# KiCad board Soldermander.kicad_pcb (continued)
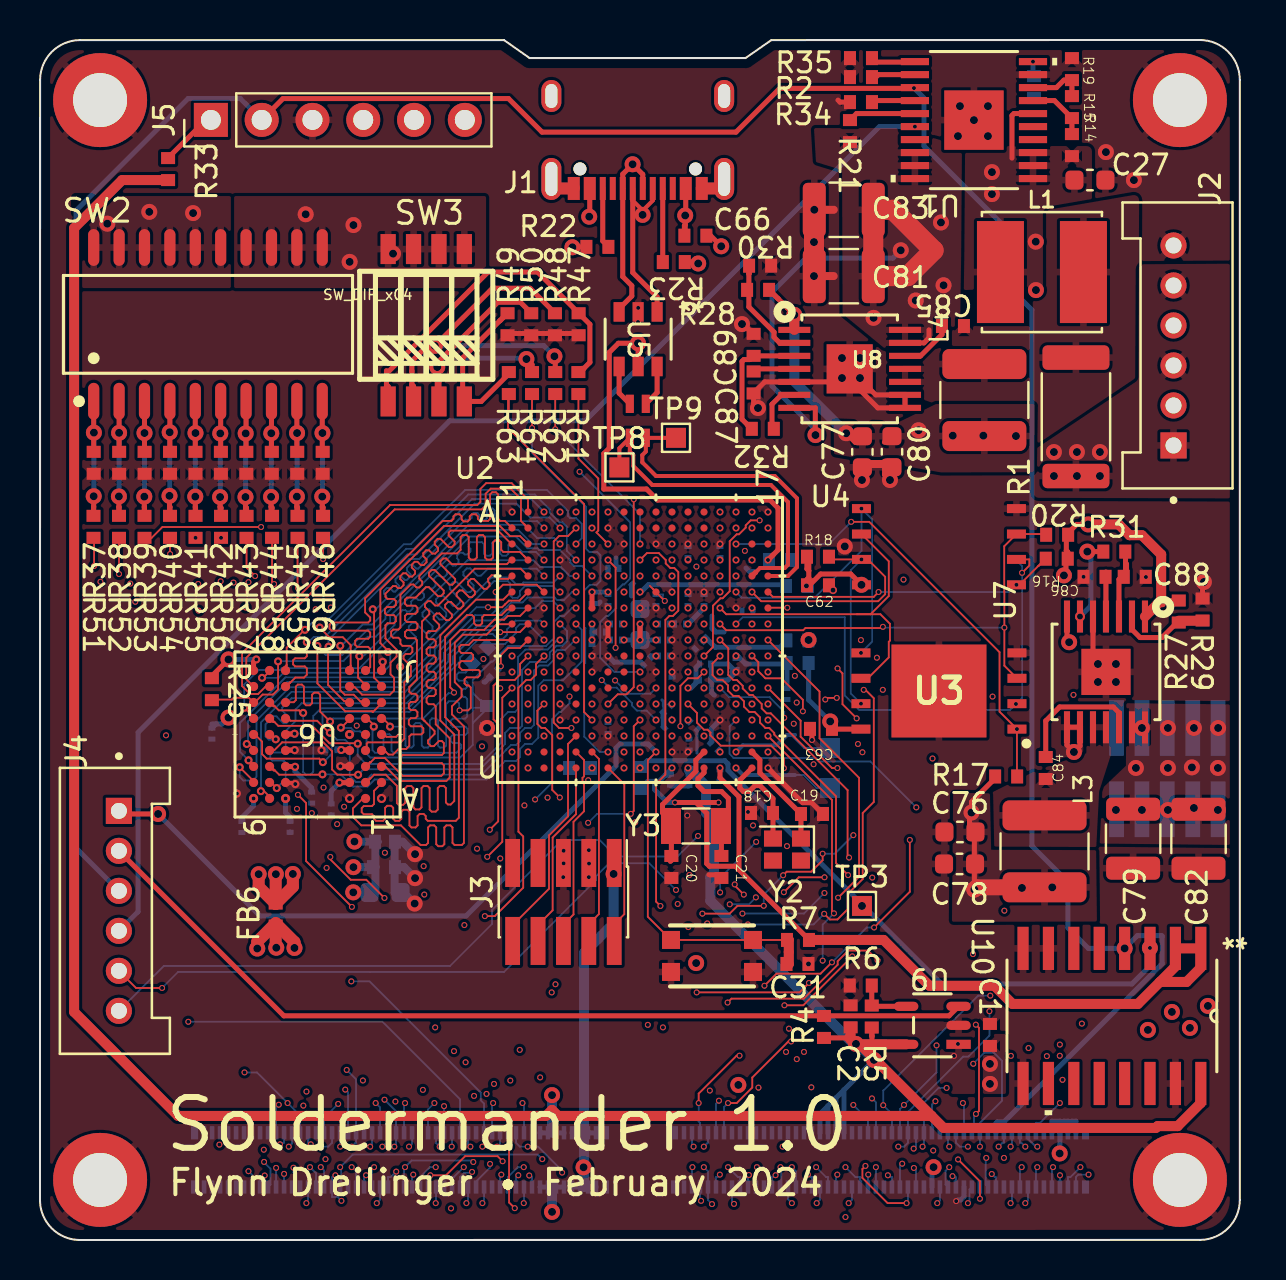
[diagram p0: board, top side]
## Routing (per net, layer and track width the routed paths; a pad name or vN(x,y) marks a point on that pad's centre or on a via; arc(x,y) is an arc through that point) (continued)
SEMC_A9: length 18.7
  Top w0.09: v1(26.01,35.61) U2.B4 ; v5(14.43,29.67) 14.4,29.64 14.4,27.76 15.22,26.95 15.48,26.95 15.51,26.92 ; U6.G3 15.48,26.89 15.51,26.92 ; 15.51,26.92 15.54,26.89
  Bottom w0.09: v1(26.01,35.61) 25.48,36.13 24.52,36.13 23.83,36.83 21.73,36.83 18.96,34.06 18.47,34.06 14.43,30.02 v5(14.43,29.67)
SEMC_A10: length 21.2
  Top w0.09: 24.23,35.78 24.23,35.78 U2.B2 ; 24.23,35.78 24.05,35.96 24.05,37.06 23.53,37.58 22.54,37.58 22.29,37.32 22.29,36.74 22.09,36.54 17.74,36.54 10.32,29.12 10.32,28.05 U6.H9 ; 24.23,35.78 24.41,35.61
SEMC_A11: length 17.9
  Top w0.09: 16.34,26.89 16.3,26.93 16.23,26.93 ; v5(15.01,29.71) 15.01,27.5 15.24,27.27 15.69,27.27 16.03,26.93 16.23,26.93 ; 16.23,26.93 U6.G2 ; v1(26.01,34.81) U2.C4
  Bottom w0.09: v1(26.01,34.81) 25.71,35.11 24.86,35.11 24.2,35.77 21.43,35.77 17.02,31.36 17.02,31.19 16.61,30.78 16.14,30.78 15.07,29.71 v5(15.01,29.71)
SEMC_A12: length 20.5
  Top w0.09: 17.08,26.84 U6.G1 ; 17.08,26.84 16.65,26.41 16.61,26.44 15.26,26.44 13.87,27.83 v5(13.87,29.71) ; 17.08,26.84 17.14,26.89 ; v1(25.21,34.81) U2.C3
  Bottom w0.09: v1(25.21,34.81) 24.62,34.81 23.91,35.52 21.5,35.52 17.28,31.29 17.28,31.06 16.74,30.53 16.38,30.53 15.11,29.26 14.29,29.26 13.87,29.67 v5(13.87,29.71)
SEMC_BA0: length 19.6
  Top w0.09: U6.G7 12.29,26.89 12.69,26.89 12.79,27 12.79,27.68 12.89,27.78 13.1,27.78 13.2,27.68 13.2,26.84 13.3,26.74 13.5,26.74 13.6,26.84 13.6,27.27 13.71,27.37 13.91,27.37 14.01,27.27 14.01,26.42 v5(14.51,25.93) ; U2.G2 24.01,31.21 23.4,31.21 23.21,31.02 22.72,31.02 22.21,30.51 21.03,30.51 20.51,29.99 20.51,27.64 20.7,27.45 v1(20.7,27.38)
  Bottom w0.09: v5(14.51,25.93) 14.66,26.08 19.17,26.08 20.43,27.35 20.67,27.35 v1(20.7,27.38)
SEMC_BA1: length 21.5
  Top w0.09: U6.G8 11.67,26.69 11.74,26.69 ; 11.54,26.89 11.74,26.69 ; 11.74,26.69 11.94,26.49 12.96,26.49 13.08,26.36 v5(13.16,26.36) ; U2.H2 24,30.4 v1(23.02,30.4)
  Bottom w0.09: v1(23.02,30.4) 22.91,30.51 21.98,30.51 20.65,29.18 20.65,28.83 18.41,26.59 14.05,26.59 13.67,26.21 13.67,23.42 13.52,23.28 13.29,23.28 13.16,23.41 13.16,23.42 v5(13.16,26.36)
SEMC_CAS: length 21.7
  Top w0.09: U6.F7 12.29,26.09 12.4,26.09 12.53,25.97 13.86,25.97 14.46,25.37 v5(14.49,25.37) ; 26.81,30.01 26.81,30.01 ; 26.81,30.01 v1(26.81,30.01) 26.81,30.01
  Bottom w0.09: v5(14.49,25.37) 14.85,25.01 15.26,25.01 15.49,24.78 15.49,23.21 15.8,22.91 16.22,22.91 16.58,23.27 22.08,23.27 23.32,24.52 23.32,24.52 23.55,24.76 23.81,24.76 24.01,24.96 24.01,25.36 24.26,25.61 24.56,25.61 24.71,25.76 24.71,28.48 24.96,28.73 25.41,28.73 25.67,28.99 25.67,29.3 25.87,29.51 26.26,29.51 26.76,30.01 v1(26.81,30.01) 26.81,30.01
SEMC_CKE: length 23
  Top w0.09: 15.48,26.04 15.07,25.62 v5(15.05,25.62) ; 15.48,26.04 U6.F3 ; 15.48,26.04 15.54,26.09
  Bottom w0.09: 21.64,25.86 22.36,26.57 22.36,26.62 ; 21.64,25.86 21.64,24.76 21.01,24.13 16.53,24.13 16.33,24.32 16.33,25.12 16.01,25.44 15.72,25.44 15.55,25.61 15.15,25.61 15.04,25.49 15.04,25.62 v5(15.05,25.62) ; 21.64,25.86 21.64,26.62 ; 22,27 22.06,27 R24.1 ; 22,27 22.36,26.64 22.36,26.62 ; 22,27 21.64,27.36 ; 22.36,26.62 21.64,26.62 ; 21.64,26.62 21.64,27.36 ; 22.56,28.93 22.63,28.93 23.41,29.71 25.31,29.71 25.71,30.1 25.71,30.91 26,31.21 26.21,31.21 26.61,31.61 v1(26.81,31.61) ; 22.56,28.93 21.64,28.01 21.64,27.36 ; 22.56,28.93 22.21,28.58
SEMC_CLK: length 4
  Top w0.09: 25.19,30.01 v1(25.21,30.01)
  Bottom w0.09: 22.42,29.66 22.27,29.51 ; 22.42,29.66 22.57,29.81 23.26,29.81 23.81,30.36 23.81,30.61 23.99,30.79 24.42,30.79 v1(25.21,30.01) ; 22.42,29.66 22.4,29.66 R26.1
SEMC_CS0: length 24.6
  Top w0.09: 8.63,27.03 8.59,27.03 ; 8.63,27.03 9.6,27.03 9.69,27.12 10.45,27.12 U6.G9 10.71,26.91 10.76,26.91 ; 8.63,27.03 R25.2 ; 10.76,26.91 10.74,26.88 ; 10.76,26.91 10.77,26.91 11.13,27.28 11.65,27.28 11.91,27.53 v5(11.91,28.94)
  Bottom w0.09: v1(27.61,33.21) 27.11,33.71 26.7,33.71 26.52,33.89 26.52,33.99 26.01,34.51 24.96,34.51 24.87,34.59 24.38,34.59 23.8,35.18 21.49,35.18 17.51,31.2 17.51,30.89 16.79,30.17 16.39,30.17 15.17,28.96 12.8,28.96 12.79,28.95 11.92,28.95 v5(11.91,28.94)
SEMC_D0: length 22.2
  Top w0.09: 25.11,32.5 25.12,32.5 U2.F3 25.11,32.5 ; 25.11,32.5 24.84,32.77 23.15,32.77 v1(22.79,32.41) ; U6.A8 11.51,22.11 11.54,22.11 ; 11.54,22.11 11.54,22.12 11.21,22.45 v5(11.05,22.45) ; 11.54,22.11 11.54,22.09 11.54,22.09
  Bottom w0.09: v5(11.05,22.45) 11.05,22.7 11.05,22.71 11.05,25.88 12.58,27.41 18.26,27.41 19.97,29.12 19.97,29.46 21.76,31.25 22.55,31.25 22.79,31.49 v1(22.79,32.41)
SEMC_D1: length 21.9
  Top w0.09: U2.F2 23.97,31.97 23.45,31.97 23.26,31.78 23.25,31.78 23.11,31.64 v1(22.41,31.64) ; v5(9.99,23.64) 10.68,22.95 ; 10.68,22.95 10.74,22.89 ; 10.68,22.95 U6.B9
  Bottom w0.09: v5(9.99,23.64) 9.99,23.16 10.16,22.98 10.65,22.98 10.82,23.16 10.82,25.98 12.48,27.64 18.17,27.64 19.74,29.21 19.74,29.56 21.83,31.64 v1(22.41,31.64)
SEMC_D2: length 21.9
  Top w0.09: v5(11.84,22.6) 11.83,22.6 11.54,22.89 11.49,22.89 U6.B8 ; 26,31.61 U2.G4 26,31.61 ; 26,31.61 v1(26,31.61)
  Bottom w0.09: v5(11.84,22.6) 12.28,23.05 12.28,23.87 12.18,23.97 11.62,23.97 11.52,24.07 11.52,24.28 11.62,24.38 12.18,24.38 12.28,24.48 12.28,25.46 12.78,25.95 12.78,26.54 13.09,26.84 18.34,26.84 20.42,28.93 20.42,29.27 21.85,30.69 22.75,30.69 23.65,31.6 24.75,31.6 25.1,31.95 25.66,31.95 v1(26,31.61)
SEMC_D3: length 22.1
  Top w0.09: 10.74,23.69 10.7,23.69 10.68,23.72 ; 26,33.21 v1(26.01,33.21) ; 10.68,23.72 10.43,23.97 v5(10.43,23.99) ; 10.68,23.72 U6.C9
  Bottom w0.09: v5(10.43,23.99) 10.01,24.41 10.01,25.87 12.28,28.14 18.02,28.14 18.39,28.51 18.39,28.96 22.57,33.13 23.47,33.13 23.8,32.81 24.1,32.81 24.18,32.89 25.69,32.89 v1(26.01,33.21)
SEMC_D4: length 22.8
  Top w0.09: U6.C8 11.68,23.48 11.75,23.48 ; 11.75,23.48 11.96,23.27 14.11,23.27 v5(14.13,23.29) ; 11.75,23.48 11.54,23.69 ; 26.78,30.81 v1(26.81,30.81)
  Bottom w0.09: v5(14.13,23.29) 15.04,23.29 15.65,22.68 16.39,22.68 16.74,23.03 22.33,23.03 23.26,23.96 23.81,23.96 24.01,24.16 24.01,24.56 24.26,24.81 24.61,24.81 24.92,25.12 24.92,27.72 25.19,27.99 26.16,27.99 27.09,28.93 27.09,30.52 v1(26.81,30.81) 26.81,30.76
SEMC_D5: length 21.7
  Top w0.09: 10.74,24.51 10.74,24.52 10.45,24.81 v5(10.34,24.81) ; 10.74,24.51 10.71,24.51 U6.D9 ; 10.74,24.51 10.74,24.49
  Bottom w0.09: v5(10.34,24.81) 10.4,24.87 10.4,25.94 12.37,27.91 18.11,27.91 19.51,29.31 19.51,29.75 22.71,32.95 23.4,32.95 23.52,32.83 23.52,32.23 23.64,32.11 23.88,32.11 24,32.23 24,32.45 24.26,32.71 25.64,32.71 25.94,32.41 v1(26.01,32.41)
SEMC_D6: length 22.2
  Top w0.09: U6.D8 11.5,24.5 11.54,24.5 ; v5(15.91,23.27) 14.87,23.27 14.61,23.53 14.61,24.44 14.16,24.89 12.11,24.89 11.72,24.5 11.54,24.5 11.54,24.5 ; 11.54,24.49 11.54,24.5
  Bottom w0.09: v5(15.91,23.27) 16.18,23.54 22,23.54 23.26,24.8 23.26,25.36 23.5,25.61 24,25.61 24.11,25.71 24.11,28.51 24.5,28.91 25.31,28.91 25.49,29.09 25.49,29.38 25.83,29.72 26.12,29.72 26.36,29.95 26.36,30.46 v1(26.01,30.81)
SEMC_D7: length 20.9
  Top w0.09: 10.79,25.24 11.11,24.92 11.11,24.3 11.33,24.07 13.97,24.07 v5(14.15,23.9) ; 10.79,25.24 10.74,25.29 ; 10.79,25.24 10.72,25.24 U6.E9 ; 25.2,30.81 U2.H3 25.2,30.81 ; 25.2,30.81 v1(25.2,30.81)
  Bottom w0.09: v1(25.2,30.81) 25.04,30.97 23.79,30.97 23.35,30.54 23.35,30.26 23.15,30.06 22.88,30.06 22.64,30.31 22.18,30.31 21.01,29.13 21.01,28.93 18.48,26.41 14.12,26.41 14.12,25.19 14.59,24.72 14.59,24.31 14.5,24.22 ; v5(14.15,23.9) 14.17,23.9 14.51,24.23
SEMC_D8: length 21.8
  Top w0.09: v5(18.01,28.67) 17.99,28.65 17.99,25.34 17.8,25.16 17.33,25.16 17.2,25.29 17.09,25.29 U6.E1
  Bottom w0.09: v5(18.01,28.67) 18.07,28.73 18.07,29.24 18.81,29.98 18.81,30.15 18.44,30.51 18.44,30.69 18.61,30.86 18.78,30.86 19.29,30.35 19.46,30.35 19.63,30.52 19.63,30.69 19.13,31.2 19.13,31.37 19.3,31.54 19.47,31.54 19.97,31.03 20.14,31.03 20.31,31.2 20.31,31.37 19.81,31.88 19.81,32.05 19.98,32.22 20.15,32.22 20.66,31.71 20.83,31.71 21,31.89 21,32.06 20.49,32.56 20.49,32.73 20.66,32.9 20.83,32.9 21.34,32.4 21.51,32.4 21.68,32.57 21.68,32.74 21.17,33.24 21.17,33.42 21.34,33.59 21.51,33.59 21.88,33.22 22.05,33.22 22.4,33.57 24.84,33.57 v1(25.21,33.21)
SEMC_D9: length 25
  Top w0.09: 16.34,24.5 16.3,24.5 U6.D2 ; 16.34,24.5 16.34,24.49 ; 16.34,24.5 16.34,24.5 16.34,24.83 16.4,24.89 18.04,24.89 18.21,25.07 18.21,27.88 18.55,28.21 18.55,28.7 18.18,29.06 18.18,29.21 18.28,29.31 18.52,29.31 18.62,29.41 18.62,29.61 18.52,29.71 18.13,29.71 18.02,29.81 18.02,30.02 17.92,30.12 17.66,30.12 17.56,30.22 17.56,30.42 17.66,30.53 17.92,30.53 18.02,30.63 18.02,32.27 18.54,32.78 18.68,32.78 18.83,32.63 18.97,32.63 19.11,32.78 19.11,32.92 18.97,33.07 18.97,33.21 20.09,34.34 20.86,34.34 21.03,34.51 21.03,35.15 21.14,35.25 21.34,35.25 21.44,35.15 21.44,34.13 21.54,34.03 21.74,34.03 21.85,34.13 21.85,35.15 21.95,35.25 22.15,35.25 22.25,35.15 22.25,34.13 22.35,34.03 22.56,34.03 22.66,34.13 22.66,34.89 22.76,34.99 22.96,34.99 23.07,34.89 23.07,34.51 23.17,34.41 24,34.41 24.2,34.21 ; 24.2,34.21 24.41,34.01 ; 24.2,34.21 24.2,34.21 U2.D2
SEMC_D10: length 24.7
  Top w0.09: 23.6,34.01 23.55,34.01 23.35,33.8 20.6,33.8 20.31,34.09 20.17,34.09 20.02,33.94 20.02,33.8 20.76,33.06 20.76,32.91 20.62,32.77 20.48,32.77 19.74,33.51 19.59,33.51 19.45,33.37 19.45,33.22 20.19,32.48 20.19,32.34 20.04,32.2 19.9,32.2 19.45,32.65 19.31,32.65 18.98,32.32 18.96,32.3 18.79,32.13 18.35,32.13 18.25,32.02 18.25,31.82 18.35,31.72 18.77,31.72 18.88,31.62 18.88,31.42 18.77,31.31 18.35,31.31 18.25,31.21 18.25,31.01 18.35,30.91 18.77,30.91 18.88,30.81 18.88,30.6 18.77,30.5 18.35,30.5 18.25,30.4 18.25,30.2 18.35,30.09 18.75,30.09 18.85,29.99 18.85,28.04 18.47,27.66 18.47,27.42 18.57,27.32 18.77,27.32 18.88,27.22 18.88,27.01 18.77,26.91 18.55,26.91 18.44,26.81 18.44,26.61 18.55,26.5 18.77,26.5 18.88,26.4 18.88,26.2 18.77,26.1 18.55,26.1 18.44,26 18.44,25.79 18.55,25.69 19.07,25.69 19.17,25.59 19.17,25.39 19.07,25.29 18.57,25.29 18.47,25.18 18.47,24.71 18.32,24.56 17.94,24.56 17.66,24.28 17.43,24.28 17.31,24.4 17.31,24.4 17.21,24.49 17.09,24.49 U6.D1 ; 23.6,34.01 23.61,34.01 ; 23.6,34.01 U2.D1
SEMC_D11: length 25.5
  Top w0.09: 24.31,33.3 24.32,33.3 U2.E2 24.31,33.3 ; 24.31,33.3 24.04,33.57 21.74,33.57 19.9,31.73 19.76,31.73 19.54,31.95 19.4,31.95 19.25,31.8 19.25,31.66 19.47,31.44 19.47,31.3 19.1,30.93 19.1,26.08 ; 16.54,23.9 16.5,23.9 U6.C2 ; 16.54,23.9 16.34,23.69 ; 16.54,23.9 16.74,24.1 17.25,24.1 18.14,23.21 20.07,23.21 20.2,23.34 20.2,23.74 20.09,23.85 18.14,23.85 18.04,23.95 18.04,24.15 18.14,24.25 20.09,24.25 20.2,24.35 20.2,24.85 20.09,24.95 19.95,24.95 19.69,24.7 19.55,24.7 19.41,24.84 19.41,24.98 19.73,25.31 19.73,25.45 19.24,25.95 ; 19.1,26.08 19.24,25.95 ; 19.1,26.08 19.24,25.95
SEMC_D12: length 24.8
  Top w0.09: 17.14,23.69 17.16,23.67 ; 17.16,23.67 17.09,23.67 U6.C1 ; 17.16,23.67 17.19,23.64 17.3,23.64 17.99,22.96 20.32,22.96 20.49,23.12 20.49,25.09 19.79,25.79 19.79,26.69 19.69,26.79 19.43,26.79 19.33,26.89 19.33,27.1 19.43,27.2 19.69,27.2 19.79,27.3 19.79,27.5 19.69,27.61 19.43,27.61 19.33,27.71 19.33,27.91 19.43,28.01 19.69,28.01 19.79,28.11 19.79,28.32 19.69,28.42 19.43,28.42 19.33,28.52 19.33,28.72 19.43,28.82 19.69,28.82 19.79,28.93 19.79,29.13 19.69,29.23 19.43,29.23 19.33,29.33 19.33,29.54 19.43,29.64 19.69,29.64 19.79,29.74 19.79,29.94 19.69,30.04 19.43,30.04 19.33,30.15 19.33,30.35 19.43,30.45 19.79,30.45 19.97,30.63 19.97,30.77 19.69,31.05 19.69,31.19 19.83,31.34 19.97,31.34 20.31,31 20.45,31 20.6,31.14 20.6,31.29 20.26,31.62 20.26,31.77 20.4,31.91 20.55,31.91 20.89,31.57 21.03,31.57 21.17,31.72 21.17,31.86 20.84,32.2 20.84,32.34 20.98,32.48 21.12,32.48 21.46,32.15 21.6,32.15 21.75,32.29 21.75,32.44 21.41,32.77 21.41,32.92 21.55,33.06 21.7,33.06 22.19,32.56 22.34,32.56 22.48,32.71 22.48,32.85 22.41,32.92 22.41,33.07 22.58,33.24 22.79,33.24 22.96,33.07 23.42,33.07 23.56,33.21 23.6,33.21 ; 23.6,33.21 U2.E1 23.6,33.21
SEMC_D13: length 25.2
  Top w0.09: 16.34,22.89 16.52,23.08 ; 16.52,23.08 16.71,23.27 17.29,23.27 17.85,22.71 17.85,21.85 17.94,21.76 18.16,21.76 18.27,21.86 18.27,22.6 18.37,22.7 18.57,22.7 18.67,22.6 18.67,21.63 18.77,21.53 18.98,21.53 19.08,21.63 19.08,22.6 19.18,22.7 19.38,22.7 19.48,22.6 19.48,21.53 19.59,21.42 19.79,21.42 19.89,21.53 19.89,22.6 19.99,22.7 20.2,22.7 20.3,22.6 20.3,21.88 20.4,21.78 20.54,21.78 20.72,21.95 20.72,25.28 20.02,25.98 20.02,30.24 21.8,32.02 23.16,32.02 23.55,32.41 23.6,32.41 ; 16.52,23.08 16.48,23.08 U6.B2 ; 23.6,32.41 U2.F1 23.6,32.41
SEMC_D14: length 24.7
  Top w0.09: 17.08,22.84 16.7,22.46 16.7,21.8 16.6,21.7 16.19,21.7 16.09,21.6 16.09,21.39 16.19,21.29 16.6,21.29 16.7,21.19 16.7,21.06 16.81,20.96 17.16,20.96 17.26,21.06 17.26,21.61 17.36,21.71 17.56,21.71 17.66,21.61 17.66,21.06 17.77,20.96 17.97,20.96 18.07,21.06 18.07,21.42 18.17,21.52 18.37,21.52 18.48,21.42 18.48,20.73 18.58,20.63 18.78,20.63 18.88,20.73 18.88,21.2 18.98,21.3 19.19,21.3 19.29,21.2 19.29,21.06 19.39,20.96 20.79,20.96 20.95,21.12 20.95,25.46 20.26,26.14 20.26,30.16 21.35,31.25 21.61,31.25 21.71,31.15 21.71,30.84 21.81,30.74 22.01,30.74 22.11,30.84 22.11,31.15 22.22,31.25 23.08,31.25 23.36,31.53 23.53,31.53 U2.G1 ; 17.08,22.84 U6.B1 ; 17.08,22.84 17.13,22.89
SEMC_D15: length 25
  Top w0.09: 16.25,22.05 16.29,22.05 16.34,22.09 ; 16.25,22.05 16.11,22.05 15.65,21.59 15.65,21.15 16.07,20.73 18.05,20.73 19.03,19.76 19.31,19.76 19.41,19.86 19.41,20.63 19.51,20.73 19.71,20.73 19.82,20.63 19.82,19.79 19.92,19.69 20.12,19.69 20.22,19.79 20.22,20.63 20.32,20.73 20.53,20.73 20.63,20.63 20.63,19.86 20.73,19.76 21.1,19.76 21.2,19.86 21.2,25.69 20.6,26.28 20.6,26.69 21.09,27.17 21.09,27.55 20.74,27.9 20.74,29.87 21.15,30.27 22.33,30.27 22.85,30.79 23.59,30.79 U2.H1 ; 16.25,22.05 U6.A2
SEMC_DM0: length 21.3
  Top w0.09: v5(11.79,25.04) 11.72,25.04 U6.E8
  Bottom w0.09: 11.79,25.02 11.44,25.02 11.28,25.18 11.28,25.79 11.68,26.19 11.82,26.19 12.17,25.84 12.31,25.84 12.46,25.99 12.46,26.13 12.11,26.48 12.11,26.62 12.59,27.1 18.27,27.1 20.2,29.02 20.2,29.37 21.81,30.98 22.67,30.98 23.58,31.88 24.13,31.88 24.38,32.13 25.73,32.13 25.86,32.01 26.21,32.01 26.61,32.41 v1(26.81,32.41) ; 11.79,25.02 v5(11.79,25.04) ; 11.79,25.02 11.8,25.02
SEMC_DM1: length 21.8
  Top w0.09: 23.6,30.01 U2.J1 23.6,30.01 ; 23.6,30.01 21.68,30.01 21.44,29.76 21.07,29.76 20.97,29.66 20.97,29.46 21.07,29.36 21.56,29.36 21.66,29.26 21.66,29.05 21.56,28.95 21.07,28.95 20.97,28.85 20.97,28.65 21.11,28.51 21.93,28.51 21.99,28.44 21.99,28.24 21.89,28.14 21.33,28.14 21.23,28.04 21.23,27.83 21.33,27.73 21.44,27.73 21.54,27.63 21.54,26.61 21.42,26.49 v1(20.98,26.49) ; U6.F1 17.09,26.09 17.14,26.09 17.5,25.73 v5(17.5,25.67)
  Bottom w0.09: v5(17.5,25.67) 18.18,25.67 18.28,25.57 18.28,24.73 18.38,24.63 18.58,24.63 18.68,24.73 18.68,25.75 18.79,25.85 18.99,25.85 19.09,25.75 19.09,24.73 19.19,24.63 19.4,24.63 19.5,24.73 19.5,25.99 19.6,26.09 19.8,26.09 19.9,25.99 19.9,24.73 20.01,24.63 20.21,24.63 20.31,24.73 20.31,26.81 20.45,26.94 20.86,26.94 20.96,26.84 20.96,26.51 v1(20.98,26.49)
SEMC_RAS: length 20.9
  Top w0.09: 11.73,25.9 11.66,25.9 U6.F8 ; 11.73,25.9 11.54,26.09 ; 11.73,25.9 11.92,25.71 13.61,25.71 14.48,24.84 15.87,24.84 v5(15.89,24.82)
  Bottom w0.09: v5(15.89,24.82) 15.89,24.21 16.3,23.81 22.01,23.81 23.06,24.86 23.06,26.06 23.41,26.41 23.76,26.41 23.91,26.56 23.91,29.16 24.28,29.53 25.38,29.53 25.86,30.01 v1(26.01,30.01)
SEMC_WE: length 21.5
  Top w0.09: 10.68,26.15 U6.F9 ; 10.68,26.15 v5(10.21,26.62) ; 10.68,26.15 10.74,26.09
  Bottom w0.09: v5(10.21,26.62) 10.21,27.78 10.94,28.51 12,28.51 12.09,28.6 15.98,28.6 21.38,33.99 24.67,33.99 25.01,33.66 26.05,33.66 26.5,33.21 v1(26.81,33.21)
SWD_CLK: length 9.8
  Top w0.09: U2.T6 27.95,24.06 27.95,16.3 27.45,15.8 J3.4
SWD_DIO: length 9.2
  Top w0.09: U2.U7 29.22,22.79 29.22,16.3 28.96,16.03 28.96,15.2 J3.2
SWD_RESET: length 11.6
  Top w0.09: U2.R5 26.41,24.81 26.41,21.19 25.46,20.24 25.46,17.57 23.64,15.75 J3.10
USB_CC1: length 3.7
  Top w0.25: 31.14,48.91 31.14,48.91 J1.A5 ; 31.14,48.91 31.14,48.91 ; 31.14,48.91 R23.2
USB_CC2: length 3.1
  Top w0.25: R22.2 28.36,49.73 28.36,49.74 ; 28.36,49.74 28.44,49.67 ; 28.36,49.74 28.14,49.96 J1.B5
USDHC2_CLK: length 46.9
  In1.Cu w0.09: v1(44.84,9.73) 45.31,10.21 47.56,10.21 v1(48.55,9.21) ; v1(35.25,34.46) 35.26,34.47 39.53,34.47 40.33,33.67 42.54,33.67 v1(43.18,33.03)
  In2.Cu w0.09: v1(43.18,33.03) 43.18,31.05 48.55,25.68 v1(48.55,9.21) ; v1(35.25,34.46) 35.25,33.19 34.93,32.87 34.47,32.87 v1(34.01,32.41)
  Bottom w0.09: v1(44.84,9.73) 44.84,8.38 v1(43.21,6.75) 43.01,6.55 J6.46
USDHC2_CMD: length 37.6
  In1.Cu w0.09: v1(42.15,27.51) 36.78,32.88 34.34,32.88 v1(34.01,33.21)
  In2.Cu w0.09: v1(47.52,12.22) 47.52,15.04 42.15,20.41 v1(42.15,27.51)
  Bottom w0.09: J6.48 42.61,6.3 v1(42.17,6.74) 42.17,7.47 46.92,12.22 v1(47.52,12.22)
USDHC2_DATA0: length 37.7
  In1.Cu w0.09: v1(34.81,33.21) 36.71,33.21 40.25,29.66 41.31,29.66 v1(41.85,29.12)
  In2.Cu w0.09: v1(47.48,11.44) 47.13,11.79 47.13,15.18 41.85,20.45 v1(41.85,29.12)
  Bottom w0.09: v1(47.48,11.44) 47.48,10.22 46.43,9.17 46.17,9.17 43.41,6.41 J6.44 43.41,4.86 43.21,4.67 v1(42.92,4.67)
USDHC2_DATA1: length 33.2
  In1.Cu w0.09: v1(37.75,28.21) 37.16,28.81 35.61,28.81 34.88,29.54 34.06,29.54 33.72,29.89 33.72,30.29 v1(33.21,30.81)
  In2.Cu w0.09: v1(43.69,4.57) 43.78,4.66 43.78,8.39 38.81,13.36 38.81,14.45 38.67,14.59 38.67,19.53 39.07,19.92 39.07,24.19 38.93,24.33 38.93,25.19 38.62,25.49 38.62,26.63 38.58,26.67 38.58,27.38 v1(37.75,28.21)
  Bottom w0.09: v1(43.69,4.57) 43.81,4.68 J6.42
USDHC2_DATA2: length 31.1
  Top w0.09: v1(40.46,19.13) 40.39,19.2 40.39,22.5 36.54,26.34 36.34,26.34 36.09,26.59 36.09,26.81 35.64,27.25 35.48,27.25 35.14,27.59 35.14,27.72 34.85,28.01 34.67,28.01 34.42,28.26 34.42,29.59 v1(34.01,30.01)
  In2.Cu w0.09: v1(45.34,7.61) 45.23,7.71 45.23,8.93 44.41,9.76 44.41,14.91 40.46,18.85 v1(40.46,19.13)
  Bottom w0.09: v1(44.14,4.67) 44.21,4.74 J6.40 44.21,6.87 44.94,7.61 v1(45.34,7.61)
USDHC2_DATA3: length 34.2
  In2.Cu w0.09: v1(34.81,30.01) 34.47,30.34 34.47,31.74 34.65,31.92 35.76,31.92 38.8,28.88 38.8,25.61 39.11,25.31 39.11,24.41 39.25,24.27 39.25,19.83 38.85,19.44 38.85,14.66 39.23,14.66 39.89,14.01 39.89,13.62 44.78,8.73 v1(44.78,6.94)
  Bottom w0.09: J6.38 44.61,6.77 v1(44.78,6.94)
VSYS: length 32.1
  Top w0.25: 44.46,45.52 44.46,45.11 44.21,44.86 U8.13 ; v2(38.78,40.25) 38.77,40.26 38.77,41.61 U8.7 ; 51.36,30.59 51.36,31.18 51.36,30.59 ; 51.36,30.59 51.36,30 v2(51.47,29.9)
  Top w1: 43.4,48.2 C81.1 C83.1 42.66,51.52 44.69,49.49 43.4,48.2
  Bottom w0.25: v2(43.05,49.5) 42.66,49.11 38.31,49.11 36.61,47.41 36.61,42.71 38.78,40.53 v2(38.78,40.25)
  vias: v2(41.69,46.12) v2(43.8,46.99) v2(45.06,50.89) v2(45.19,47.75) v2(53.81,21.51) v2(54.81,23.61) v2(55.11,25.61) v2(55.11,21.51) v2(56.41,25.61) v2(56.41,23.61) v2(56.41,21.51) v2(57.61,23.64) v2(57.71,25.61) v2(57.71,21.61) v2(58.92,25.61) v2(58.91,23.61) v2(58.91,21.51)
VUSB: length 26.4
  Top w0.25: J1.A4 32.29,51.26 v2(32.27,51.24) 32.27,50.77 ; 32.27,50.77 32.23,50.73 C66.1 ; 32.27,50.77 32.27,50.31 32.35,50.23 ; 36.66,34.26 v1(36.41,34.01) ; 36.66,34.26 36.65,34.26 U2.D17 ; 36.66,34.26 36.91,34.51 36.91,36.61 36.51,37.01 30.88,37.01 30.33,37.56 28.2,37.56 28.2,39.33 28.47,39.6 28.47,44.39 28.92,44.85 v2(29.91,44.85) 29.91,44.84 U5.5 ; v2(27.47,51.18) 27.49,51.2 J1.A9
  Bottom w0.25: v1(36.41,34.01) C60.1
WAKEUP: length 30
  In1.Cu w0.09: v1(29.21,24.41) 29.61,24.01 29.61,23.59 32.25,20.94 32.77,20.94 34.93,18.78 34.93,18.25 35.21,17.97 35.21,17.8 35.58,17.43 35.91,17.43 36.6,16.74 37.15,16.74 39.89,14.01 39.89,13.62 46.92,6.59 47.02,6.59 48.82,4.79 48.82,4.69 48.84,4.67 v1(49.27,4.67)
  Bottom w0.09: J6.16 49.01,4.86 49.08,4.86 v1(49.27,4.67)
Net-(J5-Pin_1): length 2.9
  Top w0.25: J5.1 8.31,56.02 6.41,54.12 R33.2
Net-(R37-Pad2): length 7.3
  Top w0.25: R37.2 2.69,40.37 v2(2.7,40.38) 2.69,40.39 SW2.1 ; v2(2.69,37.2) 2.69,36.67 ; v2(2.69,37.2) 2.68,37.21 ; v2(2.69,37.2) 2.68,37.19 ; 2.69,36.67 2.68,36.66 R51.1 ; 2.69,36.67 2.69,36.14 2.68,36.13
  Bottom w0.25: v2(2.7,40.38) 2.7,37.21 v2(2.69,37.2)
Net-(R38-Pad2): length 7.2
  Top w0.25: SW2.2 v2(3.96,40.37) 3.96,39.43 3.96,39.43 R38.2 ; 3.95,36.66 3.95,36.65 R52.1 ; 3.95,36.66 3.95,36.13 3.95,36.13 ; 3.95,36.66 v2(3.95,37.19)
  Bottom w0.25: v2(3.96,40.37) 3.96,37.2 v2(3.95,37.19)
Net-(R39-Pad2): length 7.2
  Top w0.25: SW2.3 v2(5.23,40.36) 5.23,39.43 5.23,39.43 R39.2 ; 5.23,36.13 5.22,36.14 5.22,36.66 ; 5.22,36.66 5.23,36.65 R53.1 ; 5.22,36.66 v2(5.22,37.18)
  Bottom w0.25: v2(5.22,37.18) 5.23,37.19 v2(5.23,40.36)
Net-(R40-Pad2): length 7.3
  Top w0.25: R40.2 6.5,39.43 6.5,39.43 6.5,40.39 v2(6.49,40.4) 6.5,40.41 SW2.4 ; 6.5,36.13 6.48,36.15 6.48,36.68 ; v2(6.48,37.22) 6.48,36.68 ; v2(6.48,37.22) 6.49,37.23 ; v2(6.48,37.22) 6.49,37.21 ; 6.48,36.68 6.5,36.66 R54.1
  Bottom w0.25: v2(6.49,40.4) 6.49,37.23 v2(6.48,37.22)
Net-(R41-Pad2): length 7.3
  Top w0.25: R41.2 7.77,39.43 7.77,39.43 7.77,40.35 v2(7.78,40.36) 7.77,40.37 SW2.5 ; 7.78,36.13 7.77,36.14 7.77,36.66 ; v2(7.77,37.18) 7.77,36.66 ; v2(7.77,37.18) 7.76,37.19 ; v2(7.77,37.18) 7.76,37.17 ; 7.77,36.66 7.78,36.64 R55.1
  Bottom w0.25: v2(7.78,40.36) 7.77,40.35 v2(7.77,37.18)
Net-(R42-Pad2): length 7.3
  Top w0.25: 9.01,36.66 9.01,36.17 9.05,36.13 ; 9.01,36.66 v2(9.01,37.16) ; 9.01,36.66 9.05,36.62 R56.1 ; v2(9.01,37.16) 9.03,37.18 ; v2(9.01,37.16) 9.03,37.14 ; R42.2 9.05,39.43 9.04,39.44 9.04,40.32 v2(9.02,40.34) 9.04,40.36 SW2.6
  Bottom w0.25: v2(9.02,40.34) 9.02,37.17 v2(9.01,37.16)
Net-(R43-Pad2): length 7.3
  Top w0.25: 10.3,37.18 v2(10.28,37.16) ; v2(10.28,37.16) 10.28,36.67 ; v2(10.28,37.16) 10.3,37.14 ; 10.28,36.67 10.28,36.18 10.33,36.13 ; 10.28,36.67 10.33,36.61 R57.1 ; R43.2 10.32,39.43 10.31,39.44 10.31,40.32 v2(10.29,40.34) 10.31,40.36 SW2.7
  Bottom w0.25: v2(10.28,37.16) 10.29,37.17 v2(10.29,40.34)
Net-(R44-Pad2): length 7.3
  Top w0.25: 11.56,36.67 11.6,36.62 R58.1 ; 11.56,36.67 11.56,36.17 11.6,36.13 ; 11.56,36.67 v2(11.56,37.17) ; SW2.8 11.58,40.36 v2(11.57,40.35) 11.58,40.34 11.58,39.44 11.59,39.43 R44.2 ; 11.57,37.18 v2(11.56,37.17) ; v2(11.56,37.17) 11.57,37.16
  Bottom w0.25: v2(11.56,37.17) 11.57,37.18 v2(11.57,40.35)
Net-(R45-Pad2): length 7.3
  Top w0.25: 12.85,36.67 12.88,36.63 R59.1 ; 12.85,36.67 v2(12.85,37.18) ; 12.85,36.67 12.85,36.16 12.88,36.13 ; R45.2 12.86,39.43 12.85,39.44 12.85,40.35 v2(12.86,40.36) 12.85,40.37 SW2.9 ; 12.84,37.19 v2(12.85,37.18) ; v2(12.85,37.18) 12.84,37.17
  Bottom w0.25: v2(12.86,40.36) 12.86,37.19 v2(12.85,37.18)
Net-(R46-Pad2): length 7.3
  Top w0.25: R46.2 14.14,39.43 14.12,39.45 14.12,40.35 v2(14.13,40.36) 14.12,40.37 SW2.10 ; 14.12,36.67 14.12,36.17 14.16,36.13 ; 14.12,36.67 14.16,36.63 R60.1 ; 14.12,36.67 v2(14.12,37.18) ; 14.11,37.19 v2(14.12,37.18) ; v2(14.12,37.18) 14.11,37.17
  Bottom w0.25: v2(14.12,37.18) 14.13,37.19 v2(14.13,40.36)
Net-(R47-Pad2): length 18.7
  Top w0.25: 27.2,43.59 27.11,43.59 R61.1 ; 27.2,43.59 27.5,43.89 27.5,45.79 26.81,46.48 ; 27.2,43.59 26.93,43.32 ; 17.33,42.78 17.41,42.69 SW3.1 ; 17.33,42.78 17.33,42.39 ; 17.33,42.78 17.33,43.17 ; R47.2 26.81,46.47 26.81,46.48 ; 26.81,46.48 24.89,48.41 22.41,48.41 17.33,43.33 17.33,43.17 ; 17.33,43.17 17.33,43.48
Net-(R48-Pad2): length 19
  Top w0.25: v2(25.73,44.2) 25.77,44.16 R62.1 25.77,43.32 ; SW3.2 18.68,42.7 18.6,42.78 ; 18.6,42.78 18.6,42.36 ; 18.6,42.78 18.6,43.21 ; R48.2 25.75,46.36 24.51,47.6 22.62,47.6 v2(19.75,44.72) 19.36,44.72 18.6,43.95 18.6,43.48 ; 18.6,43.21 18.6,43.48 ; 18.6,43.21 18.6,43.48
  Bottom w0.25: v2(19.75,44.72) 19.76,44.73 25.2,44.73 v2(25.73,44.2)
Net-(R49-Pad2): length 8.9
  Top w0.25: 21.14,42.48 21.14,44.11 23,45.97 ; 21.14,42.48 21.14,42.4 ; 21.14,42.48 21.22,42.4 SW3.4 22.07,41.94 23.45,43.32 R63.1 ; R49.2 23.01,45.97 23,45.97 ; 23,45.97 23.38,46.36
Net-(R50-Pad2): length 14.3
  Top w0.25: 19.87,43.02 19.87,42.38 ; 19.87,43.02 19.95,42.94 19.95,42.94 SW3.3 ; 19.87,43.02 v2(19.87,43.66) 19.87,43.87 22.9,46.9 24.03,46.9 24.57,46.36 R50.2 ; 24.61,43.32 R64.1 24.61,43.78 v2(24.33,44.06)
  Bottom w0.25: v2(19.87,43.66) 20.31,44.1 24.29,44.1 v2(24.33,44.06)
Net-(U1-*FLT): length 3.4
  Top w0.25: R21.1 40.83,56.33 U1.15
Net-(U1-DVDT): length 0.7
  Bottom w0.25: C11.2 49.66,58.25 v1(49.66,58.93)
Net-(U1-ILIM): length 2.4
  Top w0.25: U1.11 43.73,58.91 41.61,58.91 R35.2
Net-(U1-IMON): length 2.2
  Top w0.25: 41.63,56.98 41.63,56.93 R34.2 ; 41.63,56.98 U1.14 ; 41.63,56.98 41.61,57.01
Net-(U1-MODE): length 2.5
  Top w0.25: 41.77,58.12 41.61,57.96 ; 41.77,58.12 41.64,58.12 R2.2 ; 41.77,58.12 41.93,58.28 43.75,58.28 ; 43.75,58.28 U1.12 43.75,58.28
Net-(U1-OVP): length 2.9
  Top w0.25: U1.8 50.83,57.63 51.21,58.01 R19.2 R15.1
Net-(U1-UVLO): length 3.1
  Top w0.25: R14.1 R15.2 50.73,56.98 U1.7
Net-(U2A-RTC_XTALI): length 6.8
  Top w0.25: 31.56,20.75 31.58,20.75 ; 31.56,20.75 31.56,20.56 ; 31.56,20.75 31.56,20.94 31.13,21.36 31.13,21.78 32.8,23.44 32.8,24 U2.T13 ; 31.58,20.75 31.58,18.99 31.53,18.94 ; 31.58,20.75 31.58,20.86
Net-(U2A-RTC_XTALO): length 6.9
  Top w0.25: U2.U13 33.21,23.37 32.91,23.07 32.91,22.73 33.21,22.43 34.09,22.43 34.43,22.09 34.43,20.93 34.06,20.56 34.06,19.99 34.08,19.97 ; 34.08,19.97 34.08,19.08 ; 34.08,19.97 34.08,20.86
Net-(U2B-VDDA_1P8_IN): length 0
  Bottom w0.25: v1(31.61,27.61) C34.1
Net-(U2E-XTALI): length 5.4
  Top w0.25: Y2.2 C18.1 36.66,22.08 36.01,22.73 35.76,22.73 35.47,22.44 35.17,22.44 35,22.61 35,23 U2.U16
Net-(U2E-XTALO): length 5.4
  Top w0.25: U2.T16 36,24.01 36,23.36 C19.1 Y2.1 38.05,20.09
Net-(U2K-VDD_MIPI_1P8): length 7.7
  Bottom w0.25: 37.24,32.77 37.42,32.77 37.46,32.81 ; 37.24,32.77 FB3.2 ; 37.24,32.77 30.42,32.77 30.01,32.36
  vias: v1(30.01,32.41)
Net-(U5-IO_1_OUT): length 2.1
  Top w0.25: U5.6 30.86,42.38 L2.4
Net-(U5-IO_2_OUT): length 2.1
  Top w0.25: 29.46,41.86 28.96,42.35 U5.4 ; 29.46,41.86 L2.1 29.46,41.86
Net-(U7-PG): length 4.4
  Top w0.25: v2(52.38,34.43) R31.1 53.27,34.43
  Bottom w0.25: v7(52.01,31.18) 52.55,31.72 52.55,34.25 v2(52.38,34.43)
Net-(U7-SS): length 2.2
  Top w0.25: 53.31,31.18 53.31,31.18 53.31,33.17 ; C86.1 53.31,33.17 ; 53.31,33.17 53.31,33.41
Net-(U7-VBST): length 6.6
  Top w0.25: 50.3,24.14 C84.2 50.3,25.96 50.99,26.66 53.68,26.66 53.96,26.37 U7.12
Net-(U7-VFB): length 5.4
  Top w0.25: 54.61,31.83 54.61,30.53 55.01,30.13 56.11,30.13 56.9,30.92 ; R27.1 56.9,30.92 ; 56.9,30.92 56.95,30.97 ; 58.13,30.97 R29.2
  Top w0.5: 58.14,30.97 56.95,30.97
Net-(U7-VREG5): length 4.4
  Top w0.25: 54.29,33.85 54.29,33.28 54.33,33.24 ; 54.29,33.85 54.34,33.8 54.34,33.42 54.14,33.22 ; 54.29,33.85 54.29,34.14 ; 54.29,34.14 54.28,34.15 R31.2 ; 54.29,34.14 54.29,34.43 ; 54.14,33.22 53.96,33.04 53.96,31.18 ; 54.14,33.22 C88.1
Net-(U8-PG): length 2.6
  Top w0.25: R32.1 36.61,40.57 36.61,41.8 37.07,42.26 U8.6
Net-(U8-SS): length 2.2
  Top w0.25: U8.4 35.93,43.56 35.75,43.38 ; 35.75,43.38 35.69,43.32 ; 35.75,43.38 C87.1
Net-(U8-VBST): length 2.7
  Top w0.25: C85.2 45.11,45.28 44.04,44.21 U8.12
Net-(U8-VFB): length 5.7
  Top w0.25: 35.45,48.32 35.46,48.33 R30.2 ; 35.45,48.32 35.45,47.52 ; 35.45,48.32 35.45,48.73 ; U8.2 36.99,44.86 36.71,45.15 36.71,45.4 35.45,46.66 35.45,47.52 ; 35.45,47.52 R28.1
Net-(U8-VREG5): length 6.7
  Top w0.25: 35.37,40.78 35.59,40.57 ; 35.37,40.78 35.11,41.05 35.11,43.94 35.2,44.03 35.5,44.03 35.75,44.28 ; 35.37,40.78 35.38,40.78 R32.2 ; 35.75,44.28 35.81,44.21 U8.3 ; 35.75,44.28 C89.1
Net-(U9-ADJ): length 2.8
  Top w0.25: U9.4 41.61,11.69 41.6,11.7 R5.1 R6.2

## Copper pours and planes (outline as drawn; the poured copper is in the pictures)
GND on Top, Bottom, In1.Cu, In2.Cu, In4.Cu: -21,74.44 -21.3,-24.16 89.3,-23.66 90.5,74.74
GNDREF on Bottom: 14.91,64.91 14.91,52.21 22.31,52.21 22.31,46.99 32.81,46.91 37.31,51.51 37.31,64.91
VBATT on Top: 46.04,47.5 46.04,55.57 46.11,54.71 52.61,54.71 52.61,51.91 50.31,51.51 50.32,47.69
VBATT on Top: 45.01,10.31 45.01,7.31 48.31,7.31 48.31,10.31
VBATT on Bottom: 53.11,50.41 53.01,54.11 46.71,54.11 46.71,51.71 48.91,51.71 48.91,19.81 53.41,14.01 53.21,7.31 80.61,7.31 80.71,40.91
VBATT on In3.Cu: 42.31,16.01 42.41,-9.39 74.01,-9.39 74.01,16.01
VBATT_IN on Top: 49.71,39.51 54.93,43.01 54.96,48.8 59.63,48.83 59.78,37.09 49.69,37.12
VBATT_IN on In3.Cu: 17.31,57.81 17.31,52.11 23.69,47.47 26.97,40.17 36.69,40.26 44.88,42.7 49.8,42.7 49.77,36.44 53.87,36.43 53.87,45.4 38.55,45.37 33.39,42.94 29.47,42.87 26.76,49.19 20.01,54.71 20.01,57.81
VBATT_SENSE on Top: 50.31,51.51 50.32,47.69 49.65,47.01 49.71,39.51 54.93,43.01 54.97,52.31
VDD_1V8 on Top: 1.71,52.21 1.71,47.61 9.71,47.61 9.71,52.21
VDD_1V8 on Top: 45.67,22.37 45.61,15.92 52.86,15.93 52.82,19.5 47.57,19.52 47.51,22.34
VDD_1V8 on In3.Cu: 42.41,-9.39 42.31,16.01 53.01,16.11 53.1,28.73 49.72,28.74 49.79,32.15 53.01,32.17 53.06,36.43 26.48,36.55 26.41,31.24 39.81,31.26 39.81,27.91 33.71,27.91 33.7,16.53 19.34,16.31 8.84,16.42 8.97,32.09 19.4,32.09 19.68,41.99 9.92,45.28 9.88,62.55 -2.22,62.64 -2.62,-9.73
VDD_3V3 on Top: 44.81,41.81 42.79,40.83 39.7,40.94 39.71,39.31 45.08,38.39 49.7,38.4 49.75,41.81
VDD_3V3 on Top: 22.31,52.21 9.71,52.21 9.71,47.61 22.31,47.61
VDD_3V3 on In3.Cu: 9.77,45.38 19.53,42.09 19.34,16.31 33.7,16.53 33.71,27.91 39.81,27.91 39.81,31.26 26.41,31.24 26.48,36.55 49.77,36.44 49.8,42.7 44.88,42.7 36.69,40.26 33.41,40.25 33.6,63.25 9.73,62.65
/SDRAM/SDRAM_1V8 on In3.Cu: 8.96,32.09 8.81,16.43 19.27,16.33 19.37,32.09
VSYS on Top: 54.33,26.85 54.31,23.72 52.97,22.44 53,19.83 59.55,19.76 59.57,26.79
VSYS on Top: 38.71,55.61 38.81,53.91 40.11,53.51 40.14,46.32 42.31,44.54 46,44.52 46.07,49.2 46.11,54.71 42.91,55.61
VSYS on Bottom: 53.11,27.21 53.11,19.91 59.51,19.91 59.51,27.21
VSYS on In3.Cu: 38.6,65.58 38.59,49.39 38.55,45.37 53.87,45.4 53.84,32.08 49.79,32.15 49.72,28.74 53.1,28.73 53.01,16.01 74.01,16.01 74.73,65.71
VUSB on In3.Cu: 20.01,62.71 20.01,54.71 26.76,49.19 29.47,42.87 33.39,42.94 38.55,45.37 38.51,62.95
Net-(U7-SW1) on Top: 52.36,26.73 52.33,24.35 49.82,23.48 47.51,22.34 47.57,19.52 52.82,19.5 52.97,22.44 53.57,24.3 53.62,26.74
Net-(U8-SW1) on Top: 42.32,43.78 42.35,42.67 44.81,41.81 49.75,41.81 49.81,45.71 45.61,45.71 45.61,44.81

## Text on the board
F.Silkscreen: Flynn Dreilinger • February 2024 | Soldermander 1.0
